# Altium PCB PCB1_Bak.PcbDoc (part 5 of 5) (continued)
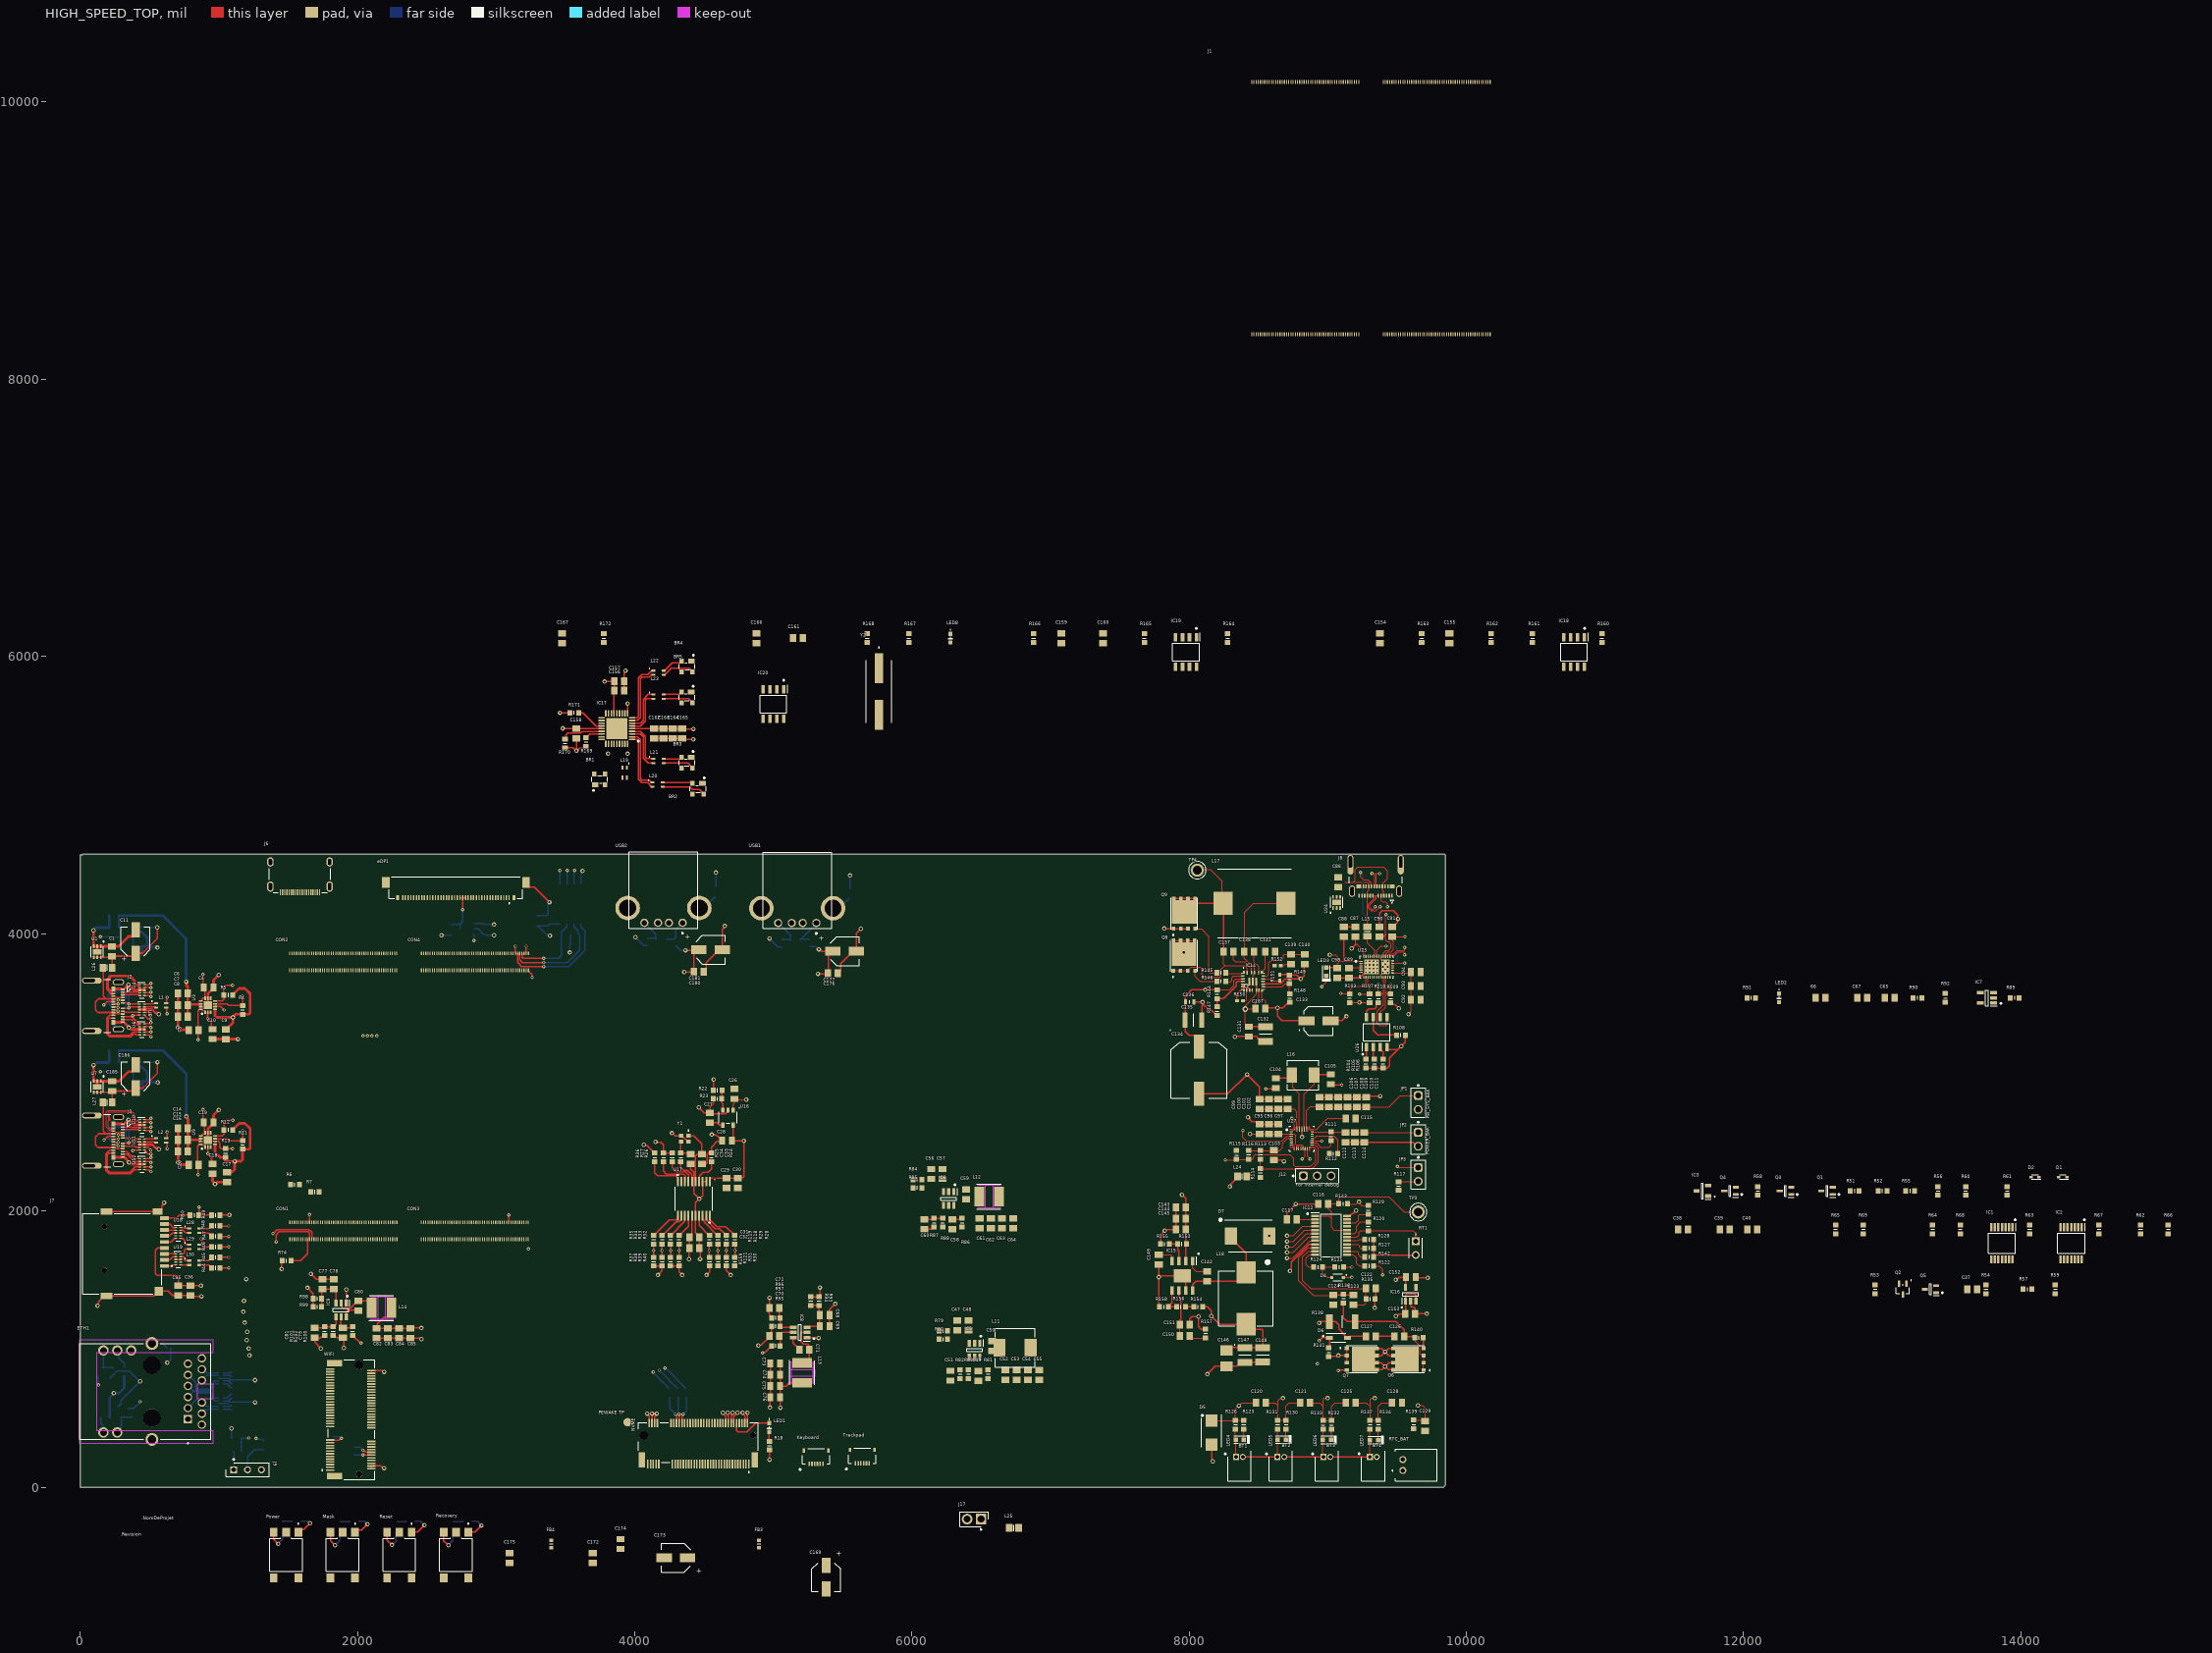
[diagram p0: HIGH_SPEED_TOP view]
## Nets (pads, with @x,y where several pads share a name; then routed paths per layer and width w, separated by ;. In a path a pad name is that pad's centre, name@x,y a point inside that pad or via, vN(x,y) a via of type N, cw(c..) or ccw(c..) an arc to the next point about the centre after c; other vN are vias at no path point) (continued)
  HIGH_SPEED_BOT w10: USB1.5@5431.03,4182.69 5473.22,4182.69 5545.09,4254.57 C179.1@5551,4254.57
USB1_VBUS: C178.1 FB5.2 USB1.1 | length 230.5
  HIGH_SPEED_BOT w10: C178.1@5195.43,3949 5195.43,3954.91 5310.17,4069.64 USB1.1@5310.17,4076 ; C178.1@5205.01,3958.57 FB5.2@5261,3958.57
USB2_GND: C182.2 FB8.2 USB2.4 | length 224.6
  HIGH_SPEED_BOT w10: USB2.4@4069.57,4078 4150.89,3996.69 4150.89,3965.68 C182.2@4157.57,3959 4148.99,3967.57 FB8.2@4092,3967.57
USB2_SH: C183.1 USB2.5 USB2.6 | length 151.1
  HIGH_SPEED_BOT w10: USB2.5@4466.03,4184.69 4498.22,4184.69 4578.09,4264.57 C183.1@4584,4264.57
USB2_VBUS: C182.1 FB7.2 USB2.1 | length 200.2
  HIGH_SPEED_BOT w10: C182.1@4228.43,3959 4283.44,3959 4293.02,3968.57 FB7.2@4294,3968.57 4294,4026.84 USB2.1@4345.16,4078
USB20_HOST0_D_N: BR1.4 CON4.24 L19.3
USB20_HOST0_D_P: BR1.2 CON4.22 L19.4
USB20_HOST1_D_N: CON4.18 WIFI.5
USB20_HOST1_D_P: CON4.16 WIFI.3
USBC_A_VBUS: C1.1 C3.2 C10.2 C11.1 J2.A4 J2.A9 J2.B4 J2.B9 L26.1 L26.2 U1.4 U1.5 U1.6 U2.1 U3.2 | length 1711.6
  HIGH_SPEED_TOP w10: L26.2@228.46,3755 228.46,3753.54 230,3752 230,3836.57 C1.1@229,3837.57 ; U3.2@920.9,3431.11 U3.2@920.9,3432.25
  HIGH_SPEED_TOP w11.81: U1.4@96.41,3828.65 122.91,3828.65 C1.1@220.08,3828.65 ; L26.1@166,3755 166,3548.64 185.21,3529.42 ; C1.1@216,3824.57 C1.1@220.08,3828.65 ; J2.A9@305.89,3421.12 259.15,3421.12 250.14,3430.13 J2.B4@239.88,3430.09 239,3431 127,3431 109,3449 109,3507 131.42,3529.42 185.21,3529.42 ; J2.A4@305.93,3539.27 261.95,3539.27 252.98,3530.29 239.87,3530.29 239,3529.42 185.21,3529.42 ; v1@556,4046 556,3965 450.35,3859.35 399,3859.35 377.21,3837.57 229,3837.57 C1.1@220.08,3828.65 ; U3.2@919.28,3431.11 919.28,3387.25 946.28,3360.25 C10.2@946.28,3310.92
  HIGH_SPEED_BOT w11.81: U2.1@381.18,4049.4 482.03,4049.4 485.43,4046 v1@556,4046
  other v1: 555.9,4045.54
  other v2: 919.17,3386.79
USBC_B_VBUS: C13.2 C18.2 C185.1 C186.1 J3.A4 J3.A9 J3.B4 J3.B9 L27.1 L27.2 U7.4 U7.5 U7.6 U8.1 U9.2 | length 2543.7
  HIGH_SPEED_TOP w10: L27.2@229.46,2781 229.46,2779.54 231,2778 231,2862.57 C185.1@230,2863.57
  HIGH_SPEED_TOP w11.81: U7.4@97.41,2854.64 U7.5@123,2854.64 U7.6@148.59,2854.64 C185.1@221.08,2854.64 ; L27.1@167,2781 167,2574.64 186.21,2555.42 ; C185.1@217,2850.57 C185.1@221.08,2854.64 ; J3.A9@306.9,2447.12 260.16,2447.12 251.14,2456.13 240.87,2456.13 J3.B4@240,2457 128,2457 110,2475 110,2533 132.43,2555.42 186.21,2555.42 ; J3.A4@306.93,2565.27 262.95,2565.27 253.98,2556.29 240.87,2556.29 J3.B9@240,2555.42 186.21,2555.42 ; v1(557,3072) 557,2991 451.36,2885.35 C186.1@400,2885.35 378.21,2863.57 C185.1@230,2863.57 C185.1@221.08,2854.64 ; U9.2@920.28,2459.81 v2(920.28,2413.25) 947.28,2386.25 C18.2@947.28,2336.92
  LOW_SPEED w11.81: v1(557,3072) 592,3072 643,3021 643,2689 918.75,2413.25 v2(920.28,2413.25)
  HIGH_SPEED_BOT w11.81: U8.1@382.18,3075.4 483.03,3075.4 C13.2@485,3073.43 486.43,3072 v1(557,3072)
VBAT_RTC: CON3.100 RTC_BAT.2
  other v2: 3233,1724
VBUS: L15.2 U25.23 U25.24 U25.25 U25.32 U25.33 | length 665.5
  HIGH_SPEED_TOP w7.87: L15.2@9284.45,3982.22 9284.45,3930.68 9337.91,3877.22 U25.33@9337.91,3835.3 9338.01,3835.2 U25.32@9353.66,3835.2 ; U25.32@9353.66,3835.1 U25.32@9353.66,3835.2 ; v2(9419.45,3908.68) 9418.45,3909.68 9385.45,3909.68 9353.66,3877.9 U25.32@9353.66,3835.2 ; U25.23@9467.83,3768.18 9467.71,3768.18 9467.71,3804.59 U25.25@9467.83,3804.59 ; U25.24@9467.83,3785.89 9553.24,3785.89 v2(9553.45,3785.68)
  HIGH_SPEED_BOT w7.87: v2(9419.45,3908.68) 9420.45,3909.68 9479.45,3909.68 9501.45,3887.68 9501.45,3801.68 9517.45,3785.68 v2(9553.45,3785.68)
VBUS_UP: BR1.1 C154.1 R160.1
VC0: C129.1 IC12.8 R139.2 | length 2540.8
  HIGH_SPEED_TOP w7.87: v1(8706.45,1659.68) 8748.45,1659.68 8871.54,1782.78 8906.26,1782.78 IC12.8@8907.78,1784.3 ; R139.2@9619.45,490.18 9695.53,490.18 C129.1@9702.45,483.26 9702.45,575.68 9683.45,594.68 v1(9650.45,594.68)
  LOW_SPEED w7.87: v1(8706.45,1659.68) 8671.45,1659.68 8647.45,1635.68 8647.45,832.69 8694.45,785.68 9589.45,785.68 9650.45,724.68 v1(9650.45,594.68)
VC1: C125.1 C128.2 IC12.7 R134.2 R137.2 | length 2605.1
  HIGH_SPEED_TOP w7.87: v1(8706.45,1699.68) 8749.45,1699.68 8859.65,1809.89 IC12.7@8907.78,1809.89 ; C125.1@9201.88,614.68 9279.45,614.68 9305.45,588.68 ; v1(9338.45,647.68) 9316.45,647.68 9305.45,636.68 9305.45,588.68 ; C128.2@9464.02,614.68 9389.45,614.68 9364.45,589.68 R134.2@9364.45,488.18 R137.2@9304.45,488.18 9305.45,489.18 9305.45,588.68
  LOW_SPEED w7.87: v1(8706.45,1699.68) 8646.45,1699.68 8617.45,1670.68 8617.45,802.69 8682.45,737.68 9302.45,737.68 9338.45,701.68 v1(9338.45,647.68)
VC2: C121.1 C125.2 IC12.6 R132.2 R133.2 | length 2354.5
  HIGH_SPEED_TOP w7.87: v1(8706.45,1739.68) 8749.93,1739.68 8845.73,1835.48 IC12.6@8907.78,1835.48 ; C121.1@8870.88,614.68 8940.45,614.68 8965.45,589.69 ; v1(8999.45,647.68) 8997.45,649.68 8975.45,649.68 8965.45,639.68 8965.45,589.69 ; C125.2@9131.02,614.68 9051.45,614.68 9026.45,589.68 R132.2@9026.45,486.18 R133.2@8965.45,486.18 8965.45,589.69
  LOW_SPEED w7.87: v1(8706.45,1739.68) 8622.45,1739.68 8588.45,1705.68 8588.45,788.68 8669.45,707.68 8970.45,707.68 8999.45,678.69 v1(8999.45,647.68)
VC3: C120.1 C121.2 IC12.5 R130.2 R131.2 | length 2095.6
  HIGH_SPEED_TOP w7.87: C120.1@8552.88,614.68 8621.45,614.68 8641.45,594.68 ; v1(8676.45,647.68) 8674.45,645.68 8654.45,645.68 8641.45,632.68 8641.45,594.68 ; v1(8706.45,1779.68) 8752.45,1779.68 8833.83,1861.07 IC12.5@8907.78,1861.07 ; C121.2@8800.02,614.68 8720.45,614.68 8698.45,592.68 R130.2@8698.45,488.18 R131.2@8637.45,488.18 8641.45,492.18 8641.45,594.68
  LOW_SPEED w7.87: v1(8676.45,647.68) 8561.45,762.68 8561.45,1737.91 8603.22,1779.68 v1(8706.45,1779.68)
VC4: C120.2 D5.1 IC12.3 IC12.4 R123.2 R126.2 | length 2169.6
  HIGH_SPEED_TOP w7.87: D5.1@8161.45,485.3 8331.57,485.3 R126.2@8334.45,488.18 ; R123.2@8393.45,488.18 R126.2@8334.45,488.18 ; C120.2@8482,614.7 8379.47,614.7 v1(8358.45,593.68) 8334.45,569.69 R126.2@8334.45,488.18 ; v1(8706.45,1819.68) 8750.45,1819.68 8817.42,1886.66 IC12.4@8907.78,1886.66 IC12.3@8907.78,1912.25
  LOW_SPEED w7.87: v1(8358.45,593.68) 8358.45,699.68 8526.45,867.68 8526.45,1748.68 8597.45,1819.68 v1(8706.45,1819.68)
VCC_(1,2): C141.2 IC14.19 IC14.30 | length 159.6
  HIGH_SPEED_TOP w7.87: IC14.19@8523.82,3720.12 8523.82,3723.56 8548.02,3747.76 C141.2@8548.02,3869.68
VCC_SYS: C106.2 C107.2 C108.2 C109.2 C110.2 C111.2 C134.1 C135.2 C136.2 C143.2 C144.2 C145.2 IC14.3 IC15.2 JP1.1 Q8.5 Q8.6 Q8.7 Q8.8 Q8.9 R144.2 R153.2 U27.25 | length 2660.8
  HIGH_SPEED_TOP w7.87: Q8.8@7886.42,3950.27 Q8.7@7937.8,3950.27 Q8.6@7988.74,3950.27 Q8.5@8040.12,3950.27 ; R144.2@8200.45,3594.18 8288.94,3594.18 8321.45,3626.68 8321.45,3657.68 8338.13,3674.37 IC14.3@8387.52,3674.37 ; U27.25@8847.88,2588.61 8847.88,2723.12 8876.45,2751.68 8937.85,2751.68 C106.2@8939.45,2750.08 C107.2@9006.73,2750.08 C108.2@9074.02,2750.08 C109.2@9141.3,2750.08 C110.2@9208.59,2750.08 C111.2@9267.05,2750.08 ; C111.2@9275.87,2750.08 9442.85,2750.08 9523.45,2830.69 JP1.1@9652.45,2830.69
  HIGH_SPEED_TOP w10: Q8.8@7886.42,3950.27 7886.42,3932.37 7954.11,3864.68 v1(7960.45,3864.68) ; v1(7948.45,2115.68) 7950.4,2115.68 7974.88,2091.21 7974.88,2020.68 C144.2@7974.88,1943.68 C145.2@7974.88,1863.68 7974.88,1765.75 R153.2@7979.94,1760.68 7975.45,1756.19 IC15.2@7975.45,1638.46 ; C136.2@7970.45,3504.43 7970.45,3546.68 8017.45,3593.68 v1(8115.45,3593.68) 8199.95,3593.68 R144.2@8200.45,3594.18 ; C136.2@7971.95,3506.68 7971.95,3377.99 C135.2@7969.7,3375.73 7973.45,3371.98 7973.45,3292.68 7999.06,3267.07 8038.64,3267.07 8071.05,3234.67 C134.1@8071.05,3185.46
VDC_MODE: CON1.18 R74.2 | length 246.3
  HIGH_SPEED_TOP w10: R74.2@1519.5,1639 1589,1639 1638.31,1688.31 CON1.18@1638.31,1795.41
VTB: IC12.18 R120.2 RT1.1 | length 592.1
  HIGH_SPEED_TOP w7.87: IC12.18@9139.12,1809.89 9210.65,1809.89 9224.45,1823.68 9224.45,1845.68 9234.95,1856.19 R120.2@9291.32,1856.19 9615.94,1856.19 9634.45,1837.68 RT1.1@9634.45,1780.68
VTB1: IC12.19 R120.1 | length 209.4
  HIGH_SPEED_TOP w7.87: IC12.19@9139.12,1835.48 9193.24,1835.48 9207.45,1849.68 9207.45,1889.68 9236.94,1919.18 R120.1@9290.45,1919.18
WIFI_REFCLK_A_N: R119.2 R159.1 WIFI.49 | length 96.3
  HIGH_SPEED_TOP w10: R119.2@4539,1759.5 4538,1758.5 v2(4538,1713) 4538,1666.5 R159.1@4540,1664.5
WIFI_REFCLK_A_P: R118.2 R121.1 WIFI.47 | length 95.7
  HIGH_SPEED_TOP w10: R118.2@4600,1759.5 4599.67,1759.17 v2(4599.67,1713) 4599.67,1665.83 R121.1@4601,1664.5
X1: C33.2 U17.5 Y1.1 | length 431
  HIGH_SPEED_TOP w10: Y1.1@4387.57,2540.67 4388.24,2540 4427,2540 4484,2483 C33.2@4484,2408.43 4483.57,2408 4452,2408 4438.8,2394.8 U17.5@4438.8,2209.5
X2: R25.2 U17.6 | length 193.5
  HIGH_SPEED_TOP w10: R25.2@4332,2353.5 4332,2314 4354,2292 4381,2292 4413.2,2259.8 U17.6@4413.2,2209.5
Y1_3: C34.2 R25.1 Y1.3 | length 158.2
  HIGH_SPEED_TOP w10: Y1.3@4334.43,2499.33 4332,2496.9 R25.1@4332,2416.5 4394.94,2416.5 C34.2@4403,2408.43
pads on no net: CON1.14 CON1.23 CON1.25 CON1.26 CON1.29 CON1.31 CON1.32 CON1.35 CON1.36 CON1.37 CON1.38 CON1.41 CON1.42 CON1.43 CON1.44 CON1.47 CON1.48 CON1.49 CON1.50 CON1.53 CON1.54 CON1.55 CON1.56 CON1.59 CON1.60 CON1.61 CON1.62 CON1.65 CON1.66 CON1.67 CON1.68 CON1.71 CON1.75 CON1.93 CON1.95 CON1.97 CON2.2 CON2.3 CON2.4 CON2.6 CON2.8 CON2.11 CON2.12 CON2.13 CON2.14 CON2.17 CON2.18 CON2.19 CON2.20 CON2.23 CON2.24 CON2.25 CON2.26 CON2.29 CON2.30 CON2.31 CON2.32 CON2.35 CON2.36 CON2.37 CON2.38 CON2.41 CON2.42 CON2.43 CON2.44 CON2.47 CON2.48 CON2.49 CON2.50 CON2.54 CON2.56 CON2.60 CON2.62 CON2.66 CON2.68 CON2.72 CON2.74 CON2.78 CON2.80 CON2.84 CON2.86 CON3.21 CON3.23 CON3.27 CON3.29 CON3.33 CON3.35 CON3.41 CON3.43 CON3.45 CON3.57 CON3.61 CON3.63 CON3.66 CON3.74 CON3.76 CON3.78 CON3.80 CON3.82 CON3.83 CON3.86 CON3.87 CON3.88 CON3.89 CON3.90 CON3.91 CON3.92 CON3.93 CON3.97 CON3.99 CON4.28 CON4.30 CON4.34 CON4.36 CON4.40 CON4.42 CON4.46 CON4.48 CON4.71 CON4.72 CON4.73 CON4.74 CON4.75 CON4.76 CON4.77 CON4.78 CON4.82 CON4.84 CON4.86 CON4.88 CON4.92 CON4.94 CON4.95 eDP1.1 eDP1.2 eDP1.3 eDP1.4 eDP1.5 eDP1.6 eDP1.7 eDP1.8 eDP1.9 eDP1.13 eDP1.20 eDP1.40 ETH1. ETH1.1 ETH1.6 ETH1.7 ETH1.12 ETH1.15 IC14.16 IC16.4 IC18.4 J1.1 J1.3 J1.5 J1.7 J1.9 J1.11 J1.13 J1.15 J1.17 J1.19 J1.21 J1.23 J1.25 J1.27 J1.29 J1.31 J1.33 J1.35 J1.37 J1.39 J1.41 J1.43 J1.45 J1.47 J1.49 J1.51 J1.53 J1.55 J1.57 J1.59 J1.61 J1.63 J1.65 J1.67 J1.69 J1.71 J1.73 J1.75 J1.77 J1.79 J1.81 J1.83 J1.85 J1.87 J1.89 J1.91 J1.93 J1.95 J1.97 J1.99 J1.102 J1.104 J1.106 J1.108 J1.110 J1.112 J1.114 J1.116 J1.118 J1.120 J1.122 J1.124 J1.126 J1.128 J1.130 J1.132 J1.134 J1.136 J1.138 J1.140 J1.142 J1.144 J1.146 J1.148 J1.150 J1.152 J1.154 J1.156 J1.158 J1.160 J1.162 J1.164 J1.166 J1.168 J1.170 J1.172 J1.174 J1.176 J1.178 J1.180 J1.182 J1.184 J1.186 J1.188 J1.190 J1.192 J1.194 J1.196 J1.198 J1.200 J1.201 J1.203 J1.205 J1.207 J1.209 J1.211 J1.213 J1.215 J1.217 J1.219 J1.221 J1.223 J1.225 J1.227 J1.229 J1.231 J1.233 J1.235 J1.237 J1.239 J1.241 J1.243 J1.245 J1.247 J1.249 J1.251 J1.253 J1.255 J1.257 J1.259 J1.261 J1.263 J1.265 J1.267 J1.269 J1.271 J1.273 J1.275 J1.277 J1.279 J1.281 J1.283 J1.285 J1.287 J1.289 J1.291 J1.293 J1.295 J1.297 J1.299 J1.302 J1.304 J1.306 J1.308 J1.310 J1.312 J1.314 J1.316 J1.318 J1.320 J1.322 J1.324 J1.326 J1.328 J1.330 J1.332 J1.334 J1.336 J1.338 J1.340 J1.342 J1.344 J1.346 J1.348 J1.350 J1.352 J1.354 J1.356 J1.358 J1.360 J1.362 J1.364 J1.366 J1.368 J1.370 J1.372 J1.374 J1.376 J1.378 J1.380 J1.382 J1.384 J1.386 J1.388 J1.390 J1.392 J1.394 J1.396 J1.398 J1.400 J7. J8.A2 J8.A3 J8.A8 J8.A10 J8.A11 J8.B2 J8.B3 J8.B8 J8.B10 J8.B11 Keyboard.2 Keyboard.3 Mask.3 Mask.4 Mask.5 NVME. NVME.6 NVME.8 NVME.20 NVME.22 NVME.24 NVME.26 NVME.28 NVME.30 NVME.32 NVME.34 NVME.36 NVME.38 NVME.40 NVME.42 NVME.44 NVME.46 NVME.48 NVME.56 NVME.58 NVME.67 NVME.68 NVME.69 NVME.S1 NVME.S2 Power.3 Power.4 Power.5 Q2.2 Recovery.3 Recovery.4 Recovery.5 Reset.3 Reset.4 Reset.5 Trackpad.2 Trackpad.3 U3.3 U3.8 U9.3 U9.8 U13. U13.4 U20.1 U20.2 U20.9 U20.10 U25.5 U25.6 U25.7 U25.13 U25.19 U25.36 U25.37 U27.6 U27.7 U27.12 U27.21 WIFI. WIFI.6 WIFI.16 WIFI.38 WIFI.40 WIFI.44 WIFI.46 WIFI.48 WIFI.50 WIFI.58 WIFI.59 WIFI.60 WIFI.61 WIFI.62 WIFI.64 WIFI.65 WIFI.66 WIFI.67 WIFI.68 WIFI.71 WIFI.73
copper on no net: | length 2992.4
  LOW_SPEED w11.81: 556,4046 591,4046 642,3995 642,3663 917.75,3387.25 919.28,3387.25
  SIGNAL w10: 272,3441 272.59,3440.41 289.59,3440.41 410,3320 410,3238 460,3188 ; 273,3520 304,3520 489,3705 885,3705 ; 460.17,3188.34 803.17,3188.34 ; 803,3188 850,3235
  HIGH_SPEED_BOT w10: 272,3466.33 231.73,3466.33 202,3496.06 202,3560 232,3590 308.8,3590 351,3547.8 351,3494 ; 273,3493 245,3493 241,3489 228.86,3489 216,3501.86 216,3546 246,3576 303,3576 330,3549 330,3474.9 337.22,3467.68 347.32,3467.68 350,3465
  other v1: 1220,957 1216,1006 1201,1066 1204,1126

## Polygon pours and split planes (outlines as drawn)
no net on GND_PLANE3 (split plane): 9826.92,27.25 9822.75,23.08 20.08,23.08 20.08,4547.81 21.18,4548.4 24.22,4550.9 27.25,4553.92 9826.92,4553.92
no net on +12V (split plane): 9826.92,27.25 9822.75,23.08 20.08,23.08 20.08,4547.81 21.18,4548.4 24.22,4550.9 27.25,4553.92 9826.92,4553.92
GND on GND PLANE1 (split plane): 9826.92,27.25 9822.75,23.08 20.08,23.08 20.08,4547.81 21.18,4548.4 24.22,4550.9 27.25,4553.92 9826.92,4553.92
no net on +1V8_3V3_5V (split plane): 9826.92,27.25 9822.75,23.08 20.08,23.08 20.08,4547.81 21.18,4548.4 24.22,4550.9 27.25,4553.92 9826.92,4553.92

## Other copper
GND PLANE1 (plane layer: these items are gaps in the copper):
  lines w10: 517,350 424,443 424,949 517,1042
  lines w19.68: 195.9,2688.1 64.02,2688.1 54,2678.09 54,2334.34 64.02,2324.32 235.68,2324.32 247.49,2336.13 264.37,2336.13 275.04,2336.13 ; 207.71,2676.29 275.04,2676.29 ; 274.04,3310.13 263.37,3310.13 246.49,3310.13 234.68,3298.32 63.02,3298.32 53,3308.34 53,3652.09 63.02,3662.1 194.9,3662.1 206.71,3650.29 274.04,3650.29
+1V8_3V3_5V (plane layer: these items are gaps in the copper):
  lines w10: 1735.63,1006.9 1850.78,1122.05 2429.78,1122.05 2461.63,1153.9 2192.85,885.12 2192.85,837.71 2192.85,143.71 ; 4090,537 4124.5,537 4159,537 4222.39,600.39 4577.61,600.39 4636,542 4671.6,542 4707.2,542 4742.8,542 4778.4,542 4814,542 5013.65,542 5050.85,579.2 5050.85,1294.2 4972.85,1372.2 ; 4149,2497 4773.05,2497 4781.05,2505 4787,2505 ; 4392,1651 4606.3,1865.3 4606.3,2324.3 4776.02,2494.02
+12V (plane layer: these items are gaps in the copper):
  lines w10: 7956.45,3864.68 7956.45,3675.68 8033.45,3598.68 8102.45,3598.68 ; 8111.45,3593.68 7982.45,3593.68 7947.45,3593.68 7902.45,3548.69 7902.45,2172.68 7902.45,2160.68 7947.45,2115.68 9029.45,2115.68 9487.45,2573.68 9487.45,2669.69 9648.45,2830.69 ; 8395.95,3460.18 8629.95,3460.18

## Silkscreen, mask and mechanical layers (free items; w line width, h text height)
Top Overlay:
  text "PW_SYS_BAK" at 9745.34,2664.69 h40 r90
  text "POWER_BAK" at 9743.34,2403.69 h40 r90
  text "For internal debug" at 8768.45,2166.2 h40
  text "PEWAKE TP" at 3740.16,521.65 h40
  text ".NomDeProjet" at 443.8,-241.06 h40
  text ".Revision" at 289.8,-356.13 h40
Board:
  lines w7.87: 7874.02,0 0,0 0,246.06 0,738.19 0,4566.93 2204.73,4566.93 7874.02,4566.93 ; 9835.02,30 9835.02,276.06 9835.02,768.19 9835.02,4596.93
Drill Drawing:
  drawing of 562 lines, arcs and shapes, not listed
  text "Symbol" at 18878.22,17190.88 h48
  text "Count" at 19066.15,17190.88 h48
  text "Hole Size" at 19262.16,17190.88 h48
  text "Plated" at 19647.24,17190.88 h48
  text "Hole Type" at 19812.22,17190.88 h48
  text "Drill Layer Pair" at 20052.41,17190.88 h48
  text "Via/Pad" at 20778.44,17190.88 h48
  text "Pad Shape" at 20975.26,17190.88 h48
  text "Hole Length" at 21232.37,17190.88 h48
  text "24" at 19066.15,17108.1 h40
  text "0.300mm (11.81mil)" at 19262.16,17108.1 h40
  text "PTH" at 19647.24,17108.1 h40
  text "Round" at 19812.22,17108.1 h40
  text "HIGH_SPEED_TOP - HIGH_SPEED_BOT" at 20052.41,17108.1 h40
  text "Via" at 20778.44,17108.1 h40
  text "Rounded" at 20975.26,17108.1 h40
  text "-" at 21232.37,17108.1 h40
  text "F" at 18859.08,17098.1 h36.79
  text "136" at 19066.15,17025.31 h40
  text "0.305mm (12.00mil)" at 19262.16,17025.31 h40
  text "PTH" at 19647.24,17025.31 h40
  text "Round" at 19812.22,17025.31 h40
  text "HIGH_SPEED_TOP - HIGH_SPEED_BOT" at 20052.41,17025.31 h40
  text "Via" at 20778.44,17025.31 h40
  text "Rounded" at 20975.26,17025.31 h40
  text "-" at 21232.37,17025.31 h40
  text "G" at 18859.08,17015.31 h36.79
  text "172" at 19066.15,16942.52 h40
  text "0.406mm (16.00mil)" at 19262.16,16942.52 h40
  text "PTH" at 19647.24,16942.52 h40
  text "Round" at 19812.22,16942.52 h40
  text "HIGH_SPEED_TOP - HIGH_SPEED_BOT" at 20052.41,16942.52 h40
  text "Via" at 20778.44,16942.52 h40
  text "Rounded" at 20975.26,16942.52 h40
  text "-" at 21232.37,16942.52 h40
  text "H" at 18859.08,16932.53 h36.79
  text "1" at 19066.15,16859.73 h40
  text "0.508mm (20.00mil)" at 19262.16,16859.73 h40
  text "PTH" at 19647.24,16859.73 h40
  text "Round" at 19812.22,16859.73 h40
  text "HIGH_SPEED_TOP - HIGH_SPEED_BOT" at 20052.41,16859.73 h40
  text "Via" at 20778.44,16859.73 h40
  text "Rounded" at 20975.26,16859.73 h40
  text "-" at 21232.37,16859.73 h40
  text "2" at 19066.15,16776.95 h40
  text "0.600mm (23.62mil)" at 19262.16,16776.95 h40
  text "PTH" at 19647.24,16776.95 h40
  text "Slot" at 19812.22,16776.95 h40
  text "HIGH_SPEED_TOP - HIGH_SPEED_BOT" at 20052.41,16776.95 h40
  text "Pad" at 20778.44,16776.95 h40
  text "Rounded" at 20975.26,16776.95 h40
  text "1.100mm (43.31mil)" at 21232.37,16776.95 h40
  text "2" at 19066.15,16694.16 h40
  text "0.600mm (23.62mil)" at 19262.16,16694.16 h40
  text "PTH" at 19647.24,16694.16 h40
  text "Slot" at 19812.22,16694.16 h40
  text "HIGH_SPEED_TOP - HIGH_SPEED_BOT" at 20052.41,16694.16 h40
  text "Pad" at 20778.44,16694.16 h40
  text "Rounded" at 20975.26,16694.16 h40
  text "1.300mm (51.18mil)" at 21232.37,16694.16 h40
  text "6" at 19066.15,16611.37 h40
  text "0.600mm (23.62mil)" at 19262.16,16611.37 h40
  text "PTH" at 19647.24,16611.37 h40
  text "Slot" at 19812.22,16611.37 h40
  text "HIGH_SPEED_TOP - HIGH_SPEED_BOT" at 20052.41,16611.37 h40
  text "Pad" at 20778.44,16611.37 h40
  text "Rounded" at 20975.26,16611.37 h40
  text "1.600mm (62.99mil)" at 21232.37,16611.37 h40
  text "6" at 19066.15,16528.58 h40
  text "0.600mm (23.62mil)" at 19262.16,16528.58 h40
  text "PTH" at 19647.24,16528.58 h40
  text "Slot" at 19812.22,16528.58 h40
  text "HIGH_SPEED_TOP - HIGH_SPEED_BOT" at 20052.41,16528.58 h40
  text "Pad" at 20778.44,16528.58 h40
  text "Rounded" at 20975.26,16528.58 h40
  text "2.100mm (82.68mil)" at 21232.37,16528.58 h40
  text "8" at 19066.15,16445.8 h40
  text "0.700mm (27.56mil)" at 19262.16,16445.8 h40
  text "PTH" at 19647.24,16445.8 h40
  text "Round" at 19812.22,16445.8 h40
  text "HIGH_SPEED_TOP - HIGH_SPEED_BOT" at 20052.41,16445.8 h40
  text "Pad" at 20778.44,16445.8 h40
  text "(Mixed)" at 20975.26,16445.8 h40
  text "-" at 21232.37,16445.8 h40
  text "D" at 18859.08,16435.8 h36.79
  text "2" at 19066.15,16363.01 h40
  text "0.800mm (31.50mil)" at 19262.16,16363.01 h40
  text "PTH" at 19647.24,16363.01 h40
  text "Round" at 19812.22,16363.01 h40
  text "HIGH_SPEED_TOP - HIGH_SPEED_BOT" at 20052.41,16363.01 h40
  text "Pad" at 20778.44,16363.01 h40
  text "Rounded" at 20975.26,16363.01 h40
  text "-" at 21232.37,16363.01 h40
  text "I" at 18865.21,16353.02 h36.79
  text "3" at 19066.15,16280.22 h40
  text "0.850mm (33.47mil)" at 19262.16,16280.22 h40
  text "PTH" at 19647.24,16280.22 h40
  text "Round" at 19812.22,16280.22 h40
  text "HIGH_SPEED_TOP - HIGH_SPEED_BOT" at 20052.41,16280.22 h40
  text "Pad" at 20778.44,16280.22 h40
  text "(Mixed)" at 20975.26,16280.22 h40
  text "-" at 21232.37,16280.22 h40
  text "2" at 19066.15,16197.43 h40
  text "0.910mm (35.83mil)" at 19262.16,16197.43 h40
  text "PTH" at 19647.24,16197.43 h40
  text "Round" at 19812.22,16197.43 h40
  text "HIGH_SPEED_TOP - HIGH_SPEED_BOT" at 20052.41,16197.43 h40
  text "Pad" at 20778.44,16197.43 h40
  text "(Mixed)" at 20975.26,16197.43 h40
  text "-" at 21232.37,16197.43 h40
  text "E" at 18859.08,16187.44 h36.79
  text "2" at 19066.15,16114.65 h40
  text "1.000mm (39.37mil)" at 19262.16,16114.65 h40
  text "NPTH" at 19647.24,16114.65 h40
  text "Round" at 19812.22,16114.65 h40
  text "HIGH_SPEED_TOP - HIGH_SPEED_BOT" at 20052.41,16114.65 h40
  text "Pad" at 20778.44,16114.65 h40
  text "Rounded" at 20975.26,16114.65 h40
  text "-" at 21232.37,16114.65 h40
  text "8" at 19066.15,16031.86 h40
  text "1.000mm (39.37mil)" at 19262.16,16031.86 h40
  text "PTH" at 19647.24,16031.86 h40
  text "Round" at 19812.22,16031.86 h40
  text "HIGH_SPEED_TOP - HIGH_SPEED_BOT" at 20052.41,16031.86 h40
  text "Pad" at 20778.44,16031.86 h40
  text "Rounded" at 20975.26,16031.86 h40
  text "-" at 21232.37,16031.86 h40
  text "12" at 19066.15,15949.07 h40
  text "1.020mm (40.16mil)" at 19262.16,15949.07 h40
  text "PTH" at 19647.24,15949.07 h40
  text "Round" at 19812.22,15949.07 h40
  text "HIGH_SPEED_TOP - HIGH_SPEED_BOT" at 20052.41,15949.07 h40
  text "Pad" at 20778.44,15949.07 h40
  text "(Mixed)" at 20975.26,15949.07 h40
  text "-" at 21232.37,15949.07 h40
  text "A" at 18859.08,15939.08 h36.79
  text "Layer" at -37.33,15932 h40
  text "Name" at 130.06,15932 h40
  text "Thickness" at 557.12,15932 h40
  text "Gerber" at 796.07,15932 h40
  text "Board Layer Stack" at 986.04,15932 h40
  text "9" at 19066.15,15866.29 h40
  text "1.100mm (43.31mil)" at 19262.16,15866.29 h40
  text "PTH" at 19647.24,15866.29 h40
  text "Round" at 19812.22,15866.29 h40
  text "HIGH_SPEED_TOP - HIGH_SPEED_BOT" at 20052.41,15866.29 h40
  text "Pad" at 20778.44,15866.29 h40
  text "(Mixed)" at 20975.26,15866.29 h40
  text "-" at 21232.37,15866.29 h40
  text "Top Overlay" at 130.06,15852 h40
  text "GTO" at 796.07,15852 h40
  text "2" at 19066.15,15783.5 h40
  text "1.150mm (45.28mil)" at 19262.16,15783.5 h40
  text "NPTH" at 19647.24,15783.5 h40
  text "Round" at 19812.22,15783.5 h40
  text "HIGH_SPEED_TOP - HIGH_SPEED_BOT" at 20052.41,15783.5 h40
  text "Pad" at 20778.44,15783.5 h40
  text "Rounded" at 20975.26,15783.5 h40
  text "-" at 21232.37,15783.5 h40
  text "Top Solder" at 130.06,15772 h40
  text "0.025mm" at 557.12,15772 h40
  text "GTS" at 796.07,15772 h40
  text "5" at 19066.15,15700.71 h40
  text "1.270mm (50.00mil)" at 19262.16,15700.71 h40
  text "PTH" at 19647.24,15700.71 h40
  text "Round" at 19812.22,15700.71 h40
  text "HIGH_SPEED_TOP - HIGH_SPEED_BOT" at 20052.41,15700.71 h40
  text "Pad" at 20778.44,15700.71 h40
  text "Rounded" at 20975.26,15700.71 h40
  text "-" at 21232.37,15700.71 h40
  text "Top Surface Finish" at 130.06,15692 h40
  text "0.020mm" at 557.12,15692 h40
  text "B" at 18859.08,15690.72 h36.79
  text "2" at 19066.15,15617.92 h40
  text "1.300mm (51.18mil)" at 19262.16,15617.92 h40
  text "PTH" at 19647.24,15617.92 h40
  text "Round" at 19812.22,15617.92 h40
  text "HIGH_SPEED_TOP - HIGH_SPEED_BOT" at 20052.41,15617.92 h40
  text "Pad" at 20778.44,15617.92 h40
  text "(Mixed)" at 20975.26,15617.92 h40
  text "-" at 21232.37,15617.92 h40
  text "1" at -37.33,15612 h40
  text "HIGH_SPEED_TOP" at 130.06,15612 h40
  text "0.035mm" at 557.12,15612 h40
  text "GTL" at 796.07,15612 h40
  text "2" at 19066.15,15535.14 h40
  text "1.570mm (61.81mil)" at 19262.16,15535.14 h40
  text "PTH" at 19647.24,15535.14 h40
  text "Round" at 19812.22,15535.14 h40
  text "HIGH_SPEED_TOP - HIGH_SPEED_BOT" at 20052.41,15535.14 h40
  text "Pad" at 20778.44,15535.14 h40
  text "Rounded" at 20975.26,15535.14 h40
  text "-" at 21232.37,15535.14 h40
  text "Dielectric 2" at 130.06,15532 h40
  text "0.116mm" at 557.12,15532 h40
  text "2" at -37.37,15452 h40
  text "GND PLANE1" at 130.06,15452 h40
  text "0.015mm" at 557.12,15452 h40
  text "GP1" at 796.07,15452 h40
  text "2" at 19066.15,15452.35 h40
  text "1.600mm (62.99mil)" at 19262.16,15452.35 h40
  text "PTH" at 19647.24,15452.35 h40
  text "Round" at 19812.22,15452.35 h40
  text "HIGH_SPEED_TOP - HIGH_SPEED_BOT" at 20052.41,15452.35 h40
  text "Pad" at 20778.44,15452.35 h40
  text "Rounded" at 20975.26,15452.35 h40
  text "-" at 21232.37,15452.35 h40
  text "Dielectric 3" at 130.06,15372 h40
  text "0.300mm" at 557.12,15372 h40
  text "2" at 19066.15,15369.56 h40
  text "1.650mm (64.96mil)" at 19262.16,15369.56 h40
  text "NPTH" at 19647.24,15369.56 h40
  text "Round" at 19812.22,15369.56 h40
  text "HIGH_SPEED_TOP - HIGH_SPEED_BOT" at 20052.41,15369.56 h40
  text "Pad" at 20778.44,15369.56 h40
  text "Rounded" at 20975.26,15369.56 h40
  text "-" at 21232.37,15369.56 h40
  text "3" at -37.33,15292 h40
  text "LOW_SPEED" at 130.06,15292 h40
  text "0.015mm" at 557.12,15292 h40
  text "G1" at 796.07,15292 h40
  text "4" at 19066.15,15286.77 h40
  text "3.100mm (122.05mil)" at 19262.16,15286.77 h40
  text "PTH" at 19647.24,15286.77 h40
  text "Round" at 19812.22,15286.77 h40
  text "HIGH_SPEED_TOP - HIGH_SPEED_BOT" at 20052.41,15286.77 h40
  text "Pad" at 20778.44,15286.77 h40
  text "Rounded" at 20975.26,15286.77 h40
  text "-" at 21232.37,15286.77 h40
  text "Dielectric 4" at 130.06,15212 h40
  text "0.076mm" at 557.12,15212 h40
  text "2" at 19066.15,15203.99 h40
  text "3.250mm (127.95mil)" at 19262.16,15203.99 h40
  text "NPTH" at 19647.24,15203.99 h40
  text "Round" at 19812.22,15203.99 h40
  text "HIGH_SPEED_TOP - HIGH_SPEED_BOT" at 20052.41,15203.99 h40
  text "Pad" at 20778.44,15203.99 h40
  text "Rounded" at 20975.26,15203.99 h40
  text "-" at 21232.37,15203.99 h40
  text "C" at 18859.08,15193.99 h36.79
  text "Dielectric 5" at 130.06,15132 h40
  text "0.076mm" at 557.12,15132 h40
  text "416 Total" at 19066.15,15121.2 h40
  text "Slot definitions :" at 18878.22,15063.25 h40
  text "Routed Path Length" at 19151.03,15063.25 h40
  text "= Calculated from tool start centre position to tool end centre position." at 19489,15063.25 h40
  text "4" at -37.33,15052 h40
  text "+1V8_3V3_5V" at 130.06,15052 h40
  text "0.015mm" at 557.12,15052 h40
  text "GP2" at 796.07,15052 h40
  text "Hole Length" at 19151.03,15030.13 h40
  text "= Routed Path Length + Tool Size = Slot length as defined in the PCB layout" at 19363.53,15030.13 h40
  text "Dielectric 6" at 130.06,14972 h40
  text "0.300mm" at 557.12,14972 h40
  text "5" at -37.33,14892 h40
  text "+12V" at 130.06,14892 h40
  text "0.015mm" at 557.12,14892 h40
  text "GP3" at 796.07,14892 h40
  text "Dielectric 7" at 130.06,14812 h40
  text "0.076mm" at 557.12,14812 h40
  text "Dielectric 8" at 130.06,14732 h40
  text "0.076mm" at 557.12,14732 h40
  text "6" at -37.33,14652 h40
  text "SIGNAL" at 130.06,14652 h40
  text "0.015mm" at 557.12,14652 h40
  text "G2" at 796.07,14652 h40
  text "Dielectric 9" at 130.06,14572 h40
  text "0.300mm" at 557.12,14572 h40
  text "7" at -37.33,14492 h40
  text "GND_PLANE3" at 130.06,14492 h40
  text "0.015mm" at 557.12,14492 h40
  text "GP4" at 796.07,14492 h40
  text "Dielectric 10" at 130.06,14412 h40
  text "0.116mm" at 557.12,14412 h40
  text "8" at -37.33,14332 h40
  text "HIGH_SPEED_BOT" at 130.06,14332 h40
  text "0.035mm" at 557.12,14332 h40
  text "GBL" at 796.07,14332 h40
  text "Bottom Surface Finish" at 130.06,14252 h40
  text "0.020mm" at 557.12,14252 h40
  text "Bottom Solder" at 130.06,14172 h40
  text "0.025mm" at 557.12,14172 h40
  text "GBS" at 796.07,14172 h40
  text "Bottom Overlay" at 130.06,14092 h40
  text "GBO" at 796.07,14092 h40
  text "Total board thickness:" at -37.33,14012 h40
  text "1.691mm" at 557.12,14012 h40

## Dimensions
0,738.19 to 9835.02,768.19 on Drill Drawing
0,0 to 0,4527.56 on Drill Drawing

## Text inside footprints (layer, text, board x,y; h text height)
C11: Top Overlay "+" at 334.56,3794.11 h40 r90
C169: Top Overlay "+" at 5458.33,-454 h40 r270
C173: Top Overlay "+" at 4487.05,-582.13 h40 r180
C177: Top Overlay "+" at 5324.71,3950.07 h40
C181: Top Overlay "+" at 4357.71,3960.07 h40
C186: Top Overlay "+" at 331.67,2821 h40 r90
J2: Mechanical 13 "PCB Edge" at 4.84,3262.77 h40 r270
J3: Mechanical 13 "PCB Edge" at 4.96,2289.68 h40 r270
J6: Top Designator "PCB Edge" at 1657.1,4591.89 h40 r180
J8: Mechanical 13 "PCB Edge" at 9128.1,4575.74 h40 r180
U16: Top Overlay "*" at 4726.99,2748.75 h40 r270; Mechanical 13 "*" at 4683.99,2710 h40 r270
U17: Top Overlay "*" at 4550.16,2232 h40 r270; Mechanical 13 "*" at 4503,2173 h40 r270